# Altium PCB (Poly)TC364_MainBoard_PCB_V1.2.PcbDoc (continued)
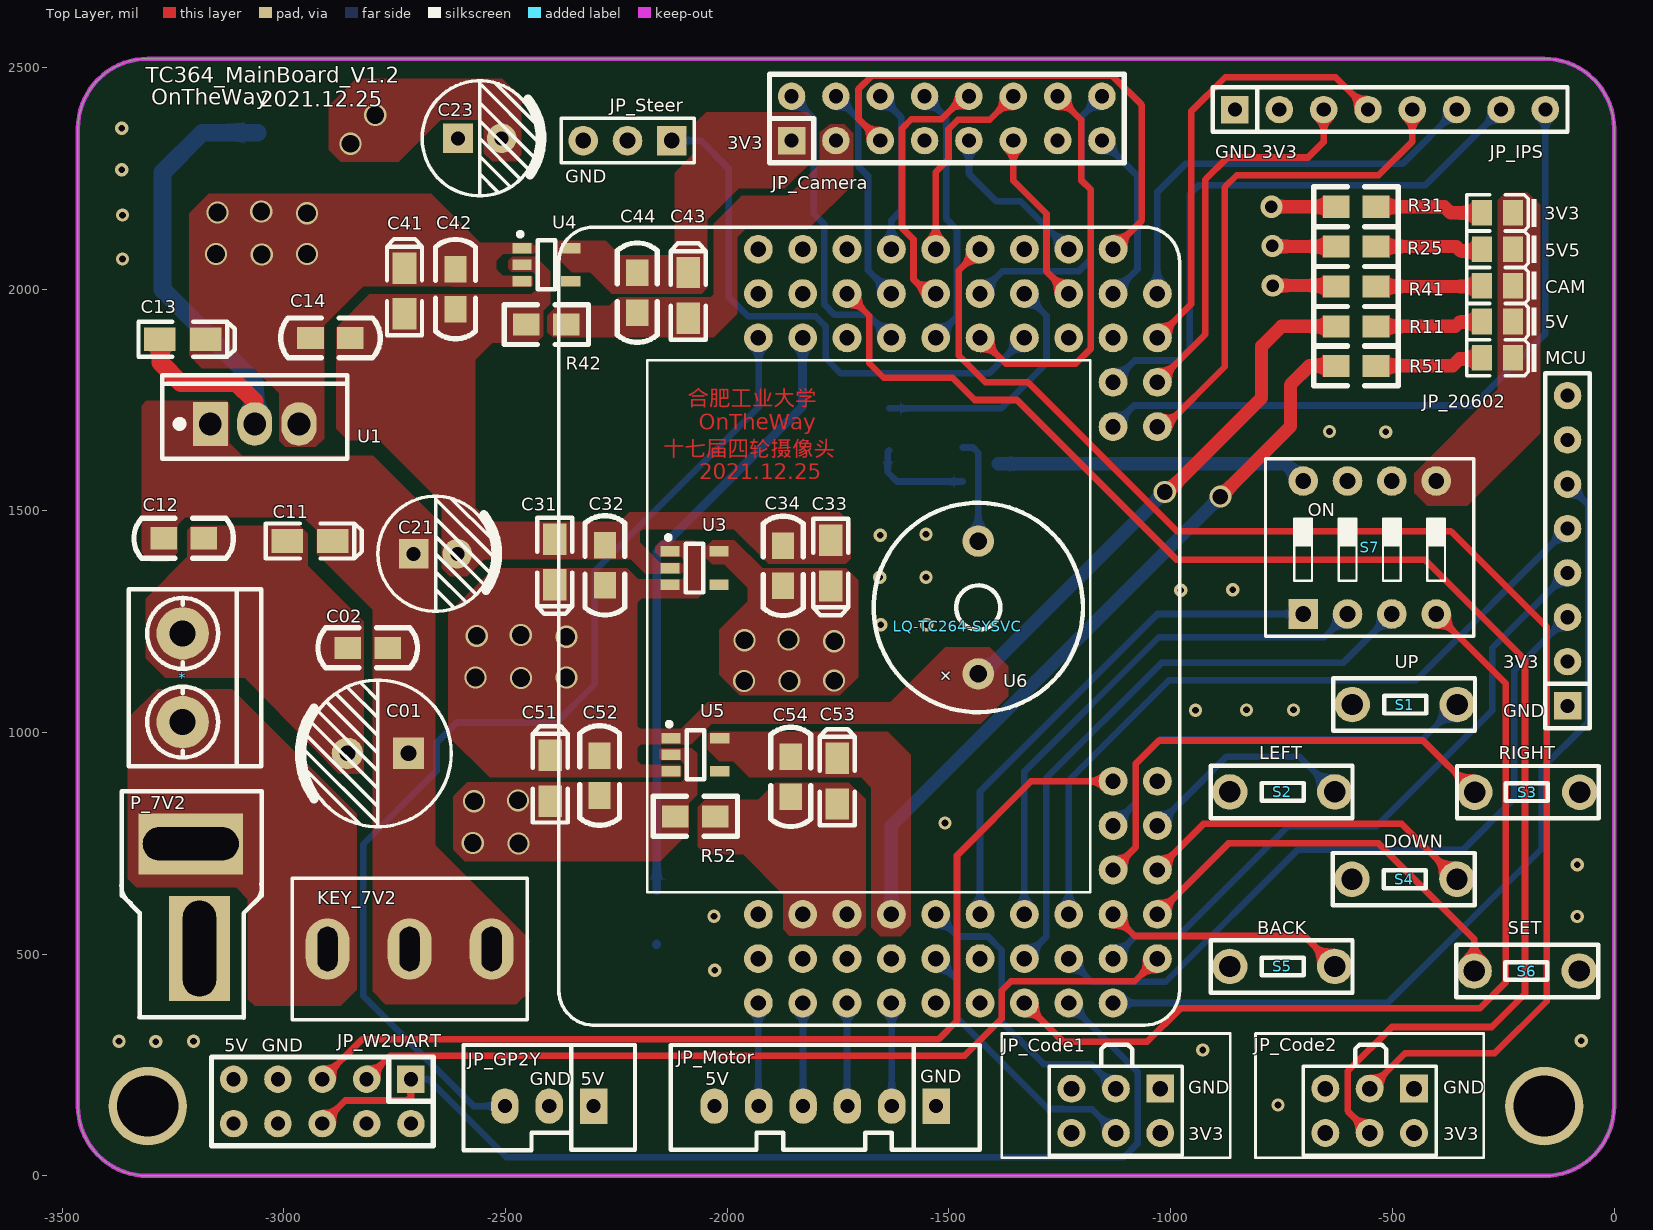
[diagram p0: Top Layer view]
## Nets (pads, with @x,y where several pads share a name; then routed paths per layer and width w, separated by ;. In a path a pad name is that pad's centre, name@x,y a point inside that pad or via, vN(x,y) a via of type N, cw(c..) or ccw(c..) an arc to the next point about the centre after c; other vN are vias at no path point)
AN44: JP_GP2Y.3 LQ-TC264-SYSVC.114 | length 2407.6
  Bottom Layer w15: JP_GP2Y.3 -2572.48,157.48 -2821,406 -2821,748 -2655,914 -2655,978 -2610.5,1022.5 -2385.5,1022.5 -2299,1109 -2299,1364 -1929,1734 LQ-TC264-SYSVC.114@-1929,1890
AN47: C03.1 LQ-TC264-SYSVC.111 R01.1 R02.2 | length 1383.7
  Bottom Layer w20: C03.1@-2160,522 C03.1 ; R02.2 -2159,1407 -1830,1736 LQ-TC264-SYSVC.111
GND: 3V3.K 5V5.K 5V.K *.2 C01.2 C02.2 C03.2 C11.2 C12.2 C13.2 C14.2 C21.2 C22.2 C31.2 C32.2 C33.2 C34.2 C41.2 C42.2 C51.2 C52.2 CAM.K JP_20602.1 JP_Code1.1 JP_Code2.1 JP_GP2Y.2 JP_IPS.1 JP_Motor.1 JP_W2UART.7 JP_W2UART.8 MCU.K P_7V2.1 Q1.3 R02.1 R26.2 R42.2 R52.2 S1.2 S2.2 S3.2 S4.2 S5.2 S6.2 S7.5 S7.6 S7.7 S7.8 U1.2 U2.7 U2.8 U3.2 U4.2 U5.2 | length 1962.6
  Top Layer w40: C13.2 -3278.43,1887 -3278.43,1834.43 -3232,1788 -3107,1788 -3066,1747 U1.2
  Bottom Layer w30: Q1.3 -739.86,1606 S7.8
  Bottom Layer w40: U1.2 -3066,1791 -3274,1999 -3274,2263 -3184,2353 R26.2
  other v1: -758,160 -928,284 -3289,303 -3372,304 -3204,304 -74,305 -2028,464 -83,585 -2030,586 -83,702 -1509,796 -944,1050 -829,1051 -723,1051 -1654,1243 -1550,1243 -977,1321 -860,1322 -1656,1350 -1552,1350 -1655,1445 -1552,1447 -515,1678 -642,1679 -3364,2068 -3364,2167 -3366,2269 -3366,2363
  other v2: -2471,750 -2574,751 -2571,845 -2472,847
GNDCAM: C43.2 C44.2 JP_Camera.3 JP_Camera.13 R42.1
GNDMCU: C53.2 C54.2 LQ-TC264-SYSVC.40 LQ-TC264-SYSVC.43 R52.1
GNDSteer: C23.2 C24.2 D21.1 JP_Steer.3 R23.2 R26.1
  other v2: -2850,2328 -2794,2393
NetD21_2: D21.2 L21.1 U2.5 U2.6
NetD_3V3_A: 3V3.A R31.2 | length 244.8
  Top Layer w30: R31.2 -383,2186 -369,2172 3V3.A
NetD_5V5_A: 5V5.A R25.2 | length 252.1
  Top Layer w30: R25.2 -356,2096 -346,2086 -309.91,2086 -304.08,2091.83 -304.08,2096 5V5.A
NetD_5V_A: 5V.A R11.2 | length 257.8
  Top Layer w30: R11.2 -358,1916 -348.3,1925.7 -299.34,1925.7 5V.A -298.04,1923.83 5V.A@-305.87,1916
NetD_CAM_A: CAM.A R41.2 | length 239.8
  Top Layer w30: R41.2 -300.04,2006 CAM.A
NetD_MCU_A: MCU.A R51.2 | length 246.4
  Top Layer w30: R51.2 -364,1827 -348.3,1842.7 -300.34,1842.7 MCU.A
NetKEY_7V2_1: *.1 KEY_7V2.1 P_7V2.2
NetQ1_1: Q1.1 R03.2 | length 227.9
  Bottom Layer w15: R03.2@-1635,1636 -1638,1633 -1638,1587 -1617,1566 Q1.1@-1469,1566
NetQ1_2: Q1.2 U6.2 | length 239.4
  Bottom Layer w15: Q1.2 -1446,1643 -1434,1631 U6.2
NetR21_1: R21.1 U2.2
NetR22_1: R22.1 U2.3
NetR23_1: R23.1 R24.2 U2.1
P00.0: JP_Camera.16 LQ-TC264-SYSVC.100 | length 677.1
  Bottom Layer w15: LQ-TC264-SYSVC.100 -1380,2040 -1208,2040 -1180,2068 -1180,2224 -1201,2245 -1201,2389 JP_Camera.16
P00.1: JP_Camera.14 LQ-TC264-SYSVC.99 | length 888.2
  Top Layer w15: LQ-TC264-SYSVC.99 -1372,1832 -1214,1832 -1180,1866 -1180,2224 -1202,2246 -1202,2382 JP_Camera.14
P00.2: JP_Camera.12 LQ-TC264-SYSVC.104 | length 459.5
  Top Layer w15: LQ-TC264-SYSVC.104 -1530,2264 -1501,2293 -1501,2360.72 -1479.72,2382 -1408,2382 JP_Camera.12
P00.3: JP_Camera.10 LQ-TC264-SYSVC.103 | length 595.2
  Top Layer w15: LQ-TC264-SYSVC.103 -1547.96,1990 -1580,2022.04 -1580,2112.19 -1606,2138.19 -1606,2362 -1585,2383 -1517,2383 -1465,2435 JP_Camera.10
P00.4: JP_Camera.8 LQ-TC264-SYSVC.102 | length 595.1
  Bottom Layer w15: JP_Camera.8 -1506,2386 -1506,2158 -1482,2134 -1482,1938 LQ-TC264-SYSVC.102
P00.5: JP_Camera.6 LQ-TC264-SYSVC.107 | length 373.6
  Bottom Layer w15: JP_Camera.6 -1608,2388 -1608,2177 -1630,2155 LQ-TC264-SYSVC.107
P00.6: JP_Camera.4 LQ-TC264-SYSVC.106 | length 496.8
  Bottom Layer w15: JP_Camera.4 -1705,2385 -1705,2278 -1682.52,2255.52 -1682.52,2042.52 LQ-TC264-SYSVC.106
P00.7: JP_Camera.2 LQ-TC264-SYSVC.105 | length 682.7
  Bottom Layer w15: JP_Camera.2 -1805,2385 -1805,2170 -1781,2146 -1781,1965 -1758,1942 -1682,1942 LQ-TC264-SYSVC.105
P00.9: JP_Code2.4 LQ-TC264-SYSVC.109 | length 3319.1
  Top Layer w15: LQ-TC264-SYSVC.109 -1680,1940 -1680,1833 -1647,1800 -1492,1800 -1442,1750 -1347,1750 -987,1390 -427,1390 -201,1164 -201,411 -276,336 -501,336 -601,236 -601,146.67 JP_Code2.4
P02.0: JP_Camera.5 LQ-TC264-SYSVC.92 | length 1167
  Top Layer w15: JP_Camera.5 -1704,2384 -1704,2451.05 -1674.05,2481 -1131,2481 -1065,2415 -1065,2155 LQ-TC264-SYSVC.92
P02.1: JP_Camera.15 LQ-TC264-SYSVC.91 | length 400.9
  Bottom Layer w15: JP_Camera.15 -1075,2255 -1075,2045 LQ-TC264-SYSVC.91
P02.2: JP_Camera.9 LQ-TC264-SYSVC.95 | length 370.4
  Bottom Layer w15: JP_Camera.9 -1455,2260 -1393,2198 -1338,2198 LQ-TC264-SYSVC.95
P02.3: JP_Camera.11 LQ-TC264-SYSVC.94 | length 396.8
  Top Layer w15: JP_Camera.11 -1355,2245 -1280,2170 -1280,2040 LQ-TC264-SYSVC.94
P02.6: LQ-TC264-SYSVC.97 R03.1 | length 575
  Bottom Layer w15: R03.1 -1382,1731 -1280,1833 -1280,1940 LQ-TC264-SYSVC.97
P02.7: JP_Steer.1 LQ-TC264-SYSVC.96 | length 1257.1
  Bottom Layer w15: JP_Steer.1 -2060,2335 -1997,2272 -1997,1983 -1953,1939 -1801,1939 -1778,1916 -1778,1844 -1744,1810 -1410,1810 LQ-TC264-SYSVC.96
P02.8: JP_Code2.3 LQ-TC264-SYSVC.101 | length 3164.2
  Top Layer w15: LQ-TC264-SYSVC.101 -1478,2042 -1478,1850 -1418,1790 -1322,1790 -986,1454 -368,1454 -152,1238 -152,394 -269,277 -471.03,277 JP_Code2.3
P10.1: JP_IPS.6 LQ-TC264-SYSVC.89 | length 981
  Bottom Layer w15: LQ-TC264-SYSVC.89 -1030,2219 -966.5,2282.5 -477.5,2282.5 JP_IPS.6
P10.2: JP_IPS.3 LQ-TC264-SYSVC.86 | length 876.9
  Top Layer w15: LQ-TC264-SYSVC.86 -922,1898 -922,2247 -872,2297 -690,2297 -655,2332 JP_IPS.3
P10.3: JP_IPS.4 LQ-TC264-SYSVC.88 | length 1003.6
  Top Layer w15: LQ-TC264-SYSVC.88 -954,1966 -954,2401 -877,2478 -628,2478 JP_IPS.4
P10.5: JP_IPS.7 LQ-TC264-SYSVC.87 | length 1334.2
  Bottom Layer w15: LQ-TC264-SYSVC.87 -1081,1839 -983,1839 -957,1865 -957,2214 -936.5,2234.5 -425.5,2234.5 JP_IPS.7
P11.10: JP_IPS.5 LQ-TC264-SYSVC.84 | length 1150.6
  Top Layer w15: LQ-TC264-SYSVC.84 -1013,1690 -878,1825 -878,2230 -851,2257 -531,2257 -455,2333 JP_IPS.5
P11.11: JP_IPS.8 LQ-TC264-SYSVC.85 | length 1567.4
  Bottom Layer w15: LQ-TC264-SYSVC.85 -1082.52,1737.48 -318.48,1737.48 -318,1737 -155,1900 JP_IPS.8
P15.0: LQ-TC264-SYSVC.65 S3.1 | length 1095
  Top Layer w15: LQ-TC264-SYSVC.65 -1079,741 -1079,929 -1026,982 -430.82,982 S3.1
P15.1: LQ-TC264-SYSVC.64 S4.1 | length 770.4
  Top Layer w15: LQ-TC264-SYSVC.64 -926,794 -479.04,794 S4.1
P15.2: LQ-TC264-SYSVC.67 S1.1 | length 940.9
  Bottom Layer w15: LQ-TC264-SYSVC.67 -1079,841 -1079,929 -1023,985 -431.69,985 S1.1
P15.3: LQ-TC264-SYSVC.66 S2.1 | length 496.9
  Bottom Layer w15: LQ-TC264-SYSVC.66 -875,945 -708.78,945 S2.1
P15.4: LQ-TC264-SYSVC.63 S6.1 | length 942.5
  Top Layer w15: LQ-TC264-SYSVC.63 -870,750 -531,750 -315.59,534.59 S6.1
P15.5: LQ-TC264-SYSVC.61 S5.1 | length 548.8
  Top Layer w15: LQ-TC264-SYSVC.61 -1081,541 -698.48,541 S5.1
P15.6: JP_W2UART.3 LQ-TC264-SYSVC.62 | length 1933.2
  Top Layer w15: JP_W2UART.3 -2760.5,271 -1465,271 -1381,355 -1381,418.48 -1360.48,439 -1081,439 LQ-TC264-SYSVC.62
P15.7: JP_W2UART.5 LQ-TC264-SYSVC.69 | length 2280.2
  Top Layer w15: JP_W2UART.5 -2823.5,308 -1524,308 -1482,350 -1482,723 -1315,890 LQ-TC264-SYSVC.69
P20.0: JP_Code1.4 LQ-TC264-SYSVC.48 | length 619
  Bottom Layer w15: LQ-TC264-SYSVC.48 -1482.52,442.52 -1482.52,357.52 -1276,151 -1243.53,151 -1242.88,150.35 -1177.13,150.35 JP_Code1.4
P20.3: JP_Code1.3 LQ-TC264-SYSVC.49 | length 664.1
  Bottom Layer w15: LQ-TC264-SYSVC.49 -1480,540 -1412,540 -1381,509 -1381,347 -1286.23,252.23 -1179,252.23 JP_Code1.3
P20.6: LQ-TC264-SYSVC.52 S7.1 | length 1171.6
  Bottom Layer w15: LQ-TC264-SYSVC.52 -1430,867 -1029.68,1267.32 S7.1
P20.7: LQ-TC264-SYSVC.53 S7.4 | length 2073
  Top Layer w15: LQ-TC264-SYSVC.53 -1243,303 -1053,303 -978,378 -303,378 -244,437 -244,1110.14 S7.4
P20.8: LQ-TC264-SYSVC.54 S7.3 | length 1360.5
  Bottom Layer w15: LQ-TC264-SYSVC.54 -1281,539 -1281,897 -1021,1157 -611.5,1157 S7.3
P20.9: LQ-TC264-SYSVC.55 S7.2 | length 1198
  Bottom Layer w15: LQ-TC264-SYSVC.55 -1330,912 -1027,1215 -653.5,1215 S7.2
P20.10: JP_W2UART.1 JP_W2UART.6 LQ-TC264-SYSVC.56 | length 2370.8
  Top Layer w15: JP_W2UART.6 -2861.5,170 -2722,170 -2713.39,178.61 JP_W2UART.1
  Bottom Layer w15: JP_W2UART.1 -2674.11,218.11 -2498,42 -1106,42 -1074,74 -1074,234 LQ-TC264-SYSVC.56
P20.11: JP_20602.3 LQ-TC264-SYSVC.57 | length 1656.3
  Bottom Layer w15: LQ-TC264-SYSVC.57 -1178,438 -1011.21,438 -713.21,736 -340,736 -225,851 -225,1140 JP_20602.3
P20.12: JP_20602.5 LQ-TC264-SYSVC.58 | length 1662.3
  Bottom Layer w15: LQ-TC264-SYSVC.58 -1230,892 -1004.01,1117.99 -447.01,1117.99 JP_20602.5
P20.13: JP_20602.6 LQ-TC264-SYSVC.59 | length 1996.2
  Bottom Layer w15: LQ-TC264-SYSVC.59 -511,390 -163,738 -163,919 -68,1014 -67.79,1014 -58,1023.79 -58,1513 JP_20602.6
P20.14: JP_20602.4 LQ-TC264-SYSVC.60 | length 1468
  Bottom Layer w15: LQ-TC264-SYSVC.60 -1079,541 -983,541 -735.5,788.5 -535.5,788.5 -275,1049 -275,1190 JP_20602.4
P21.2: JP_Motor.5 LQ-TC264-SYSVC.35 | length 232.9
  Bottom Layer w15: LQ-TC264-SYSVC.35 -1930,158.35 JP_Motor.5
P21.3: JP_Motor.4 LQ-TC264-SYSVC.38 | length 232.9
  Bottom Layer w15: LQ-TC264-SYSVC.38 -1829.13,389.13 JP_Motor.4
P21.4: JP_Motor.3 LQ-TC264-SYSVC.41 | length 232.9
  Bottom Layer w15: LQ-TC264-SYSVC.41 -1730,158.35 JP_Motor.3
P21.5: JP_Motor.2 LQ-TC264-SYSVC.44 | length 232.9
  Bottom Layer w15: LQ-TC264-SYSVC.44 -1629.13,389.13 JP_Motor.2
VCC3V3: C33.1 C34.1 JP_20602.2 JP_Code1.2 JP_Code2.2 JP_IPS.2 R31.1 U3.5 | length 146
  Top Layer w30: v3(-773,2186) R31.1
  other v2: -1962,1116 -1860,1116 -1759,1117 -1759,1206 -1961,1208 -1862,1210
VCC5V: C13.1 C14.1 C31.1 C32.1 C41.1 C42.1 C51.1 C52.1 JP_GP2Y.1 JP_Motor.6 JP_W2UART.9 R11.1 U1.3 U3.1 U3.3 U4.1 U4.3 U5.1 U5.3 U6.1 | length 1199.5
  Top Layer w30: v4(-1013.5,1542.5) -1008.09,1542.5 -998.09,1552.5 -997.5,1552.5 -795,1755 -795,1871 -750,1916 R11.1
  Bottom Layer w30: U6.1 -1423.61,1132.39 v4(-1013.5,1542.5)
  other v2: -2465,1123 -2568,1124 -2363,1124 -2363,1216 -2565,1218 -2466,1220 -3050,2078 -3153,2079 -2948,2079 -2948,2171 -3150,2173 -3051,2175
VCCBAT: C01.1 C02.1 C11.1 C12.1 C21.1 C22.1 KEY_7V2.2 KEY_7V2.3 R01.2 R21.2 R22.2 U1.1 U2.4
VCCCAM: C43.1 C44.1 JP_Camera.1 R41.1 U4.5 | length 143.8
  Top Layer w30: v3(-770,2008) -629,2008 R41.1
VCCMCU: C53.1 C54.1 LQ-TC264-SYSVC.46 R51.1 U5.5 | length 1687.6
  Top Layer w30: v4(-888,1532) -730,1690 -730,1784 -687,1827 R51.1
  Bottom Layer w30: LQ-TC264-SYSVC.46 -1630,790 v4(-888,1532)
VCCSteer: C23.1 C24.1 JP_Steer.2 L21.2 R24.1 R25.1 | length 144.1
  Top Layer w30: v3(-770.5,2097.5) -769,2096 R25.1
pads on no net: JP_20602.7 JP_20602.8 JP_Camera.7 JP_Code1.5 JP_Code1.6 JP_Code2.5 JP_Code2.6 JP_W2UART.2 JP_W2UART.4 JP_W2UART.10 LQ-TC264-SYSVC.36 LQ-TC264-SYSVC.37 LQ-TC264-SYSVC.39 LQ-TC264-SYSVC.42 LQ-TC264-SYSVC.45 LQ-TC264-SYSVC.47 LQ-TC264-SYSVC.50 LQ-TC264-SYSVC.51 LQ-TC264-SYSVC.68 LQ-TC264-SYSVC.90 LQ-TC264-SYSVC.93 LQ-TC264-SYSVC.98 LQ-TC264-SYSVC.108 LQ-TC264-SYSVC.110 LQ-TC264-SYSVC.112 LQ-TC264-SYSVC.113 LQ-TC264-SYSVC.115 LQ-TC264-SYSVC.116 U3.4 U4.4 U5.4

## Polygon pours and split planes (outlines as drawn)
GND on Top Layer "GND_L01_P114" (solid, remove dead copper, pour order 114): -245,2217 -262,2200 -262,1774 -451,1585 -451,1541 -421,1511 -331,1511 -167,1675 -167,2190 -196,2219
GNDSteer on Top Layer "GNDSTEER_L01_P110" (solid, remove dead copper, pour order 110): -2465,2302.82 -2465,2433 -2507,2475 -2837,2475 -2899,2413 -2899,2314 -2872,2287 -2741,2287 -2646,2382 -2563,2382 -2549,2368 -2549,2307 -2530,2288 -2475.52,2288
GNDMCU on Top Layer "GNDMCU_L01_P084" (solid, remove dead copper, pour order 84): -2067,831 -2050,848 -1929,848 -1929,850 -1892,887 -1726,887 -1688,849 -1688,561 -1707,542 -1860,542 -1874,556 -1874,638 -1877,638 -1964,725 -2050,725 -2067,742
VCCMCU on Top Layer "VCCMCU_L01_P082" (solid, remove dead copper, pour order 82): -1586,950 -1586,564 -1609,541 -1655,541 -1675,561 -1675,876 -1698,899 -1951,899 -1987,935 -2018,935 -2044,961 -2044,997 -2039,1002 -1638,1002
VCC5V on Top Layer "VCC5V_L01_P080" (solid, remove dead copper, pour order 80): -2100,974 -2081,974 -2054,1001 -2035,1020 -1428,1020 -1366,1082 -1366,1150 -1408,1192 -1508,1192 -1632,1068 -2044,1068 -2127,985 -2127,977
VCC5V on Top Layer "VCC5V_L01_P078" (solid, remove dead copper, pour order 78): -2217,909 -2207,899 -2106,899 -2104,901 -2104,924 -2107,927 -2194,927 -2209,942 -2209,960 -2195,974 -2100,974 -2094,980 -2094,1000 -2103,1009 -2197,1009 -2208,1020 -2223,1020
GND on Top Layer "GND_L01_P076" (solid, remove dead copper, pour order 76): -2133,859 -2097,895 -2097,929 -2105,937 -2149,937 -2153,941 -2153,962 -2150,965 -2080,965 -2068,953 -2068,860 -2087,841 -2087,774 -2114,747 -2133,747
GND on Top Layer "GND_L01_P074" (solid, remove dead copper, pour order 74): -2539,888 -2202,888 -2104,888 -2094,878 -2094,767 -2151,710 -2592,710 -2618,736 -2618,856 -2586,888
VCC3V3 on Top Layer "VCC3V3_L01_P072" (solid, remove dead copper, pour order 72): -1954,1325 -1954,1296 -2018,1232 -2018,1130 -1972,1084 -1746,1084 -1705,1125 -1705,1343 -1732,1370 -1944,1370 -1955,1359
VCC3V3 on Top Layer "VCC3V3_L01_P058" (solid, remove dead copper, pour order 58): -2047,1420 -2047,1393 -2034,1380 -2007,1380 -1914,1287 -1733,1287 -1725,1295 -1725,1363 -1732,1370 -1920,1370 -1984,1434 -2033,1434
GND on Top Layer "GND_L01_P056" (solid, remove dead copper, pour order 56): -2197,1453 -2191,1459 -1985,1459 -1907,1381 -1733,1381 -1722,1392 -1722,1473 -1746,1497 -2221,1497 -2255,1463 -2255,1409 -2198,1409 -2197,1408
VCC5V on Top Layer "VCC5V_L01_P054" (solid, remove dead copper, pour order 54): -2203,1348 -2201,1346 -2102,1346 -2093,1355 -2093,1389 -2097,1389 -2104,1396 -2152,1396 -2162,1406 -2162,1420 -2150,1432 -2074,1432 -2060,1418 -2060,1308 -2065,1303 -2193,1303 -2208,1288 -2214.5,1294.5 -2214.5,1359.5
GND on Top Layer "GND_L01_P048" (solid, remove dead copper, pour order 48): -2568,1371 -2548,1391 -2218,1391 -2185,1358 -2105,1358 -2101,1362 -2101,1379 -2105,1383 -2151,1383 -2243,1475 -2536,1475 -2579,1518 -2644,1518 -2644,1371
VCC5V on Top Layer "VCC5V_L01_P046" (solid, remove dead copper, pour order 46): -2454,1371 -2226,1371 -2203,1348 -2203,903 -2207,899 -2536,899 -2629,992 -2629,1269 -2525.96,1372.04
VCCCAM on Top Layer "VCCCAM_L01_P042" (solid, remove dead copper, pour order 42): -2159,2044 -2119,2084 -2119,2263 -2070,2312 -2070,2377 -2048,2399 -1817,2399 -1804,2386 -1804,2293 -1870,2227 -1974,2227 -2045,2156 -2045,2044
no net on Top Layer "NONET_L01_P040" (solid, remove dead copper, pour order 40): -2143,2076
VCCCAM on Top Layer "VCCCAM_L01_P038" (solid, remove dead copper, pour order 38): -2351,2038 -2309,2038 -2261,1990 -2058,1990 -2045,2003 -2045,2076 -2241,2076 -2274,2109 -2380,2109 -2388,2101 -2388,2075
GNDCAM on Top Layer "GNDCAM_L01_P034" (solid, remove dead copper, pour order 34): -1768,2372 -1736,2372 -1716,2352 -1716,2237 -1818,2135 -1959,2135 -1977,2117 -1977,1945 -2031,1891 -2394,1891 -2406,1903 -2406,1940 -2384,1962 -2266,1962 -2246,1982 -2037,1982 -2031,1988 -2031,2147 -1967,2211 -1863,2211 -1791,2283 -1791,2354
VCCBAT on Top Layer "VCCBAT_L01_P006" (solid, remove dead copper, pour order 6): -2800,416.33 -2771.02,387 -2476,387 -2446,417 -2446,533 -2531,618 -2659,746 -2659,1442 -2688,1471 -2690,1469 -2764,1469 -2800,1433 -2800,1031
VCC5V on Top Layer "VCC5V_L01_P030" (solid, remove dead copper, pour order 30): -2553.5,2077.5 -2506,2030 -2442,2030 -2439,2027 -2439,2008 -2442,2005 -2626,2005
VCC5V on Top Layer "VCC5V_L01_P028" (solid, remove dead copper, pour order 28): -2569,2105 -2441,2105 -2431,2095 -2431,2086 -2437,2080 -2505,2080 -2569,2016
GND on Top Layer "GND_L01_P022" (solid, remove dead copper, pour order 22): -2399,2040 -2399,1967 -2415,1951 -2423,1951 -2423,1962 -2442,1981 -2442,1988 -2432,1998 -2432,2032 -2439,2039 -2486,2039 -2494,2047 -2494,2064 -2485,2073 -2432,2073
VCCBAT on Top Layer "VCCBAT_L01_P012" (solid, remove dead copper, pour order 12): -2899.68,1456 -2926,1456 -2956,1486 -3222,1486 -3239,1469 -3239,1407 -3261,1385 -3299,1385 -3321,1407 -3321,1737 -3310,1748 -3129,1748 -3123,1742 -3123,1653 -3094,1624 -2799.35,1624
GND on Top Layer "GND_L01_P020" (solid, remove dead copper, pour order 20): -2882,1685 -2856,1659 -2785,1659 -2644,1518 -2644,1371 -2626,1353 -2586,1353 -2568,1371 -2568,1841 -2530,1879 -2431,1879 -2415,1895 -2415,1971 -2432,1988 -2807,1988 -2882,1913
VCC5V on Top Layer "VCC5V_L01_P018" (solid, remove dead copper, pour order 18): -3011,1765 -3068,1822 -3185,1822 -3214,1851 -3214,2171 -3170,2215 -2668,2215 -2521,2068 -2521,2044 -2559,2006 -2821,2006 -2909,1918 -2909,1663 -2928,1644 -2997,1644 -3011,1658
GND on Top Layer "GND_L01_P016" (solid, remove dead copper, pour order 16): -2876.29,907 -2826,907 -2820,913 -2820,1250 -2946,1376 -2946,1448 -2964,1466 -3208,1466 -3218,1456 -3218,1396 -3312,1302 -3312,1168 -3268,1124 -3088,1124
no net on Top Layer "NONET_L01_P014" (solid, remove dead copper, pour order 14): -2897,1503
VCCBAT on Top Layer "VCCBAT_L01_P010" (solid, remove dead copper, pour order 10): -2794.11,1271.11 -2908,1385 -2926,1403 -2926,1561 -2863,1624 -2799,1624 -2659,1484 -2659,1361.51
no net on Top Layer "NONET_L01_P004" (solid, remove dead copper, pour order 4): -2797,555
NetKEY_7V2_1 on Top Layer "NETKEY_7V2_1_L01_P002" (solid, remove dead copper, pour order 2): -3286,1098 -3352,1032 -3352,670 -3333,651 -3108,651 -3081,624 -3081,399 -3066,384 -2872,384 -2836,420 -2836,817 -3117,1098
GNDSteer on Bottom Layer "GNDSTEER_L04_P112" (solid, remove dead copper, pour order 112): -3009,2325 -3009,2387 -2963,2433 -2766,2433 -2756,2423 -2756,2042 -2740,2026 -2674,2026 -2666,2018 -2666,1972 -2677,1961 -2797,1961 -2896,2060 -2896,2212
VCCSteer on Bottom Layer "VCCSTEER_L04_P108" (solid, remove dead copper, pour order 108): -2272,2341 -2272,2282 -2307,2247 -2307,2031 -2209,2031 -2180,2060 -2180,2337
GNDSteer on Bottom Layer "GNDSTEER_L04_P106" (solid, remove dead copper, pour order 106): -2443,2223 -2363,2143 -2363,2030 -2270,1937 -2075,1937 -2057,1955 -2058,1956 -2058,2030 -2080,2052 -2172,2052 -2201,2023 -2309,2023 -2315,2029 -2315,2262.77
no net on Bottom Layer "NONET_L04_P104" (solid, remove dead copper, pour order 104): -2425,2227
NetR21_1 on Bottom Layer "NETR21_1_L04_P102" (solid, remove dead copper, pour order 102): -2644,1693 -2575,1693 -2566,1702 -2566,1730 -2551,1745 -2450,1745 -2445,1750 -2445,1774 -2451,1780 -2630,1780 -2644,1766
NetR22_1 on Bottom Layer "NETR22_1_L04_P100" (solid, remove dead copper, pour order 100): -2644,1867 -2583,1867 -2547,1831 -2454,1831 -2445,1822 -2445,1805 -2454,1796 -2638,1796 -2644,1802
VCCBAT on Bottom Layer "VCCBAT_L04_P098" (solid, remove dead copper, pour order 98): -2649,1878 -2671.01,1855.99 -2685,1855.99 -2685,1937 -2503,1937 -2444,1878 -2444,1850 -2449,1845 -2546,1845 -2579,1878
no net on Bottom Layer "NONET_L04_P096" (solid, remove dead copper, pour order 96): -2660,1906
NetR23_1 on Bottom Layer "NETR23_1_L04_P094" (solid, remove dead copper, pour order 94): -2633,2122 -2650,2105 -2650,1969 -2631,1950 -2491,1950 -2431,1890 -2431,1750 -2432,1750 -2449,1733 -2521,1733 -2529,1725 -2529,1699 -2523,1693 -2422,1693 -2392,1723 -2392,1926 -2463,1997 -2539,1997 -2576,2034 -2576,2111 -2577,2111 -2588,2122
GNDSteer on Bottom Layer "GNDSTEER_L04_P092" (solid, remove dead copper, pour order 92): -2580.09,2165.91 -2571,2175 -2532,2214 -2357,2214 -2283,2288 -2283,2350 -2308,2375 -2530,2375 -2549,2356 -2549,2258 -2578,2229 -2649,2229 -2655,2223 -2655,2170 -2650.91,2165.91
NetD21_2 on Bottom Layer "NETD21_2_L04_P088" (solid, remove dead copper, pour order 88): -2560,2170 -2560,2047 -2531,2018 -2457,2018 -2328,1889 -2328,1803 -2321,1796 -2225,1796 -2202,1819 -2063,1819 -2050,1832 -2050,1899 -2074,1923 -2271,1923 -2372,2024 -2372,2116 -2447,2191 -2539,2191
GND on Bottom Layer "GND_L04_P086" (solid, remove dead copper, pour order 86): -2646,1676 -2646,1377 -2606,1337 -2505,1337 -2221,1621 -2221,1767 -2242,1788 -2325,1788 -2369,1744 -2369,1683 -2551,1683 -2639,1683
AN47 on Bottom Layer "AN47_L04_P070" (solid, remove dead copper, pour order 70): -2129,675 -2149,695 -2169,695 -2189,675 -2189,384 -2129,384
GND on Bottom Layer "GND_L04_P068" (solid, remove dead copper, pour order 68): -2298,502 -2285,489 -2221,489 -2207,503 -2207,667 -2249,709 -2601,709 -2662,648 -2662,313 -2557,208 -2466,208 -2442,184 -2442,123 -2441,123 -2429,111 -2376,111 -2357,130 -2357,206 -2483,332 -2550,332 -2609,391 -2609,598 -2590,617 -2589,616 -2344,616 -2297,569
VCCBAT on Bottom Layer "VCCBAT_L04_P064" (solid, remove dead copper, pour order 64): -2212,377 -2212,453 -2230,471 -2421,471 -2469,519 -2469,565 -2489,585 -2573,585 -2590,568 -2590,410 -2535,355 -2234,355
VCCSteer on Bottom Layer "VCCSTEER_L04_P062" (solid, remove dead copper, pour order 62): -2607,2465 -2259,2465 -2180,2386 -2180,2305 -2202,2283 -2246,2283 -2272,2309 -2272,2368 -2290,2386 -2546,2386 -2567,2365 -2567,2352 -2585,2352 -2607,2374
VCCSteer on Bottom Layer "VCCSTEER_L04_P060" (solid, remove dead copper, pour order 60): -2608,2465 -2738,2335 -2738,2056 -2726,2044 -2677,2044 -2666,2055 -2666,2233 -2651,2248 -2580,2248 -2561,2267 -2561,2430 -2596,2465
VCCBAT on Bottom Layer "VCCBAT_L04_P008" (solid, remove dead copper, pour order 8): -2684,1340 -2682,1340 -2658,1364 -2660,1366 -2660,1912 -2685,1937 -2742,1937 -2799,1880 -2799,1378 -2760,1339
GND on GND02 (split plane): -147.67,2499.32 -137.92,2498.27 -128.26,2496.53 -118.75,2494.1 -109.44,2491.01 -100.37,2487.25 -91.6,2482.86 -83.16,2477.85 -75.1,2472.25 -67.46,2466.1 -60.28,2459.41 -53.59,2452.23 -47.43,2444.59 -41.83,2436.53 -36.83,2428.09 -32.44,2419.31 -28.68,2410.24 -25.58,2400.93 -23.15,2391.43 -21.41,2381.77 -20.36,2372.01 -20.03,2362.84 -20.1,2362.2 -20.1,159.68 -20.1,157.48 -20.03,156.85 -20.36,147.67 -21.41,137.92 -23.15,128.26 -25.58,118.75 -28.68,109.44 -32.44,100.37 -36.83,91.6 -41.83,83.16 -47.43,75.1 -53.59,67.46 -60.28,60.28 -67.46,53.59 -75.1,47.43 -83.16,41.83 -91.6,36.83 -100.37,32.44 -109.44,28.68 -118.75,25.58 -128.26,23.15 -137.92,21.41 -147.67,20.36 -156.85,20.03 -157.48,20.1 -3307.09,20.1 -3307.72,20.03 -3316.89,20.36 -3326.65,21.41 -3336.31,23.15 -3345.82,25.58 -3355.13,28.68 -3364.19,32.44 -3372.97,36.83 -3381.41,41.83 -3389.47,47.43 -3397.11,53.59 -3404.29,60.28 -3410.98,67.46 -3417.14,75.1 -3422.73,83.16 -3427.74,91.6 -3432.13,100.37 -3435.89,109.44 -3438.99,118.75 -3441.41,128.26 -3443.16,137.92 -3444.2,147.67 -3444.53,156.85 -3444.47,157.48 -3444.47,2362.2 -3444.53,2362.83 -3444.2,2372.01 -3443.16,2381.77 -3441.41,2391.43 -3438.99,2400.93 -3435.89,2410.24 -3432.13,2419.31 -3427.74,2428.09 -3422.73,2436.53 -3417.14,2444.59 -3410.98,2452.23 -3404.29,2459.41 -3397.11,2466.1 -3389.47,2472.25 -3381.41,2477.85 -3372.97,2482.86 -3364.19,2487.25 -3355.13,2491.01 -3345.82,2494.1 -3336.31,2496.53 -3326.65,2498.27 -3316.89,2499.32 -3307.72,2499.65 -3307.09,2499.59 -2282.1,2499.59 -2282.1,1698 -2281.71,1696.05 -2280.6,1694.4 -2165.6,1579.4 -2163.95,1578.29 -2162,1577.9 -1090,1577.9 -1088.05,1578.29 -1086.4,1579.4 -965.4,1700.4 -964.29,1702.05 -963.9,1704 -964.05,1704.72 -963.4,1705.15 -962.29,1706.81 -961.9,1708.76 -961.9,2499.59 -157.48,2499.59 -156.85,2499.65
GNDCAM on GND02 (split plane): -972.1,1708.76 -971.95,1708.04 -972.6,1707.6 -1092.11,1588.1 -2159.89,1588.1 -2271.9,1700.11 -2271.9,2499.59 -972.1,2499.59
VCC5V on POW03 (split plane): -3307.09,2499.59 -2666.1,2499.59 -2666.1,1564 -2665.71,1562.05 -2664.6,1560.4 -2455.6,1351.4 -2453.95,1350.29 -2452,1349.9 -2355.11,1349.9 -1390.1,384.89 -1390.1,20.1 -3307.09,20.1 -3307.72,20.03 -3316.89,20.36 -3326.65,21.41 -3336.31,23.15 -3345.82,25.58 -3355.13,28.68 -3364.19,32.44 -3372.97,36.83 -3381.41,41.83 -3389.47,47.43 -3397.11,53.59 -3404.29,60.28 -3410.98,67.46 -3417.14,75.1 -3422.73,83.16 -3427.74,91.6 -3432.13,100.37 -3435.89,109.44 -3438.99,118.75 -3441.41,128.26 -3443.16,137.92 -3444.2,147.67 -3444.53,156.85 -3444.47,157.48 -3444.47,2362.2 -3444.53,2362.83 -3444.2,2372.01 -3443.16,2381.77 -3441.41,2391.43 -3438.99,2400.93 -3435.89,2410.24 -3432.13,2419.31 -3427.74,2428.09 -3422.73,2436.53 -3417.14,2444.59 -3410.98,2452.23 -3404.29,2459.41 -3397.11,2466.1 -3389.47,2472.25 -3381.41,2477.85 -3372.97,2482.86 -3364.19,2487.25 -3355.13,2491.01 -3345.82,2494.1 -3336.31,2496.53 -3326.65,2498.27 -3316.89,2499.32 -3307.72,2499.65
VCCSteer on POW03 (split plane): -2180.1,2276 -2179.71,2274.05 -2178.6,2272.4 -2077.6,2171.4 -2075.95,2170.29 -2074,2169.9 -850.11,2169.9 -818.6,2138.4 -816.95,2137.29 -815,2136.9 -721.11,2136.9 -701.1,2116.89 -701.1,2074.11 -715.11,2060.1 -2655.9,2060.1 -2655.9,2499.59 -2180.1,2499.59
VCC3V3 on POW03 (split plane): -147.67,2499.32 -137.92,2498.27 -128.26,2496.53 -118.75,2494.1 -109.44,2491.01 -100.37,2487.25 -91.6,2482.86 -83.16,2477.85 -75.1,2472.25 -67.46,2466.1 -60.28,2459.41 -53.59,2452.23 -47.43,2444.59 -41.83,2436.53 -36.83,2428.09 -32.44,2419.31 -28.68,2410.24 -25.58,2400.93 -23.15,2391.43 -21.41,2381.77 -20.36,2372.01 -20.03,2362.84 -20.1,2362.2 -20.1,159.68 -20.1,157.48 -20.03,156.85 -20.36,147.67 -21.41,137.92 -23.15,128.26 -25.58,118.75 -28.68,109.44 -32.44,100.37 -36.83,91.6 -41.83,83.16 -47.43,75.1 -53.59,67.46 -60.28,60.28 -67.46,53.59 -75.1,47.43 -83.16,41.83 -91.6,36.83 -100.37,32.44 -109.44,28.68 -118.75,25.58 -128.26,23.15 -137.92,21.41 -147.67,20.36 -156.85,20.03 -157.48,20.1 -1379.9,20.1 -1379.9,387 -1380.29,388.95 -1381.4,390.6 -2349.4,1358.6 -2351.05,1359.71 -2353,1360.1 -2449.89,1360.1 -2655.9,1566.11 -2655.9,2049.9 -825.1,2049.9 -825.1,1995 -824.71,1993.05 -823.6,1991.4 -791.6,1959.4 -789.95,1958.29 -788,1957.9 -616,1957.9 -614.05,1958.29 -612.4,1959.4 -519.9,2051.9 -518.79,2053.55 -518.4,2055.5 -518.79,2057.45 -518.9,2057.62 -518.9,2291 -519.29,2292.95 -520.4,2294.6 -567.4,2341.6 -569.05,2342.71 -571,2343.1 -1777.89,2343.1 -1823.4,2388.6 -1825.05,2389.71 -1827,2390.1 -1869,2390.1 -1870.95,2389.71 -1872.6,2388.6 -1907.6,2353.6 -1908.71,2351.95 -1909.1,2350 -1909.1,2322 -1908.71,2320.05 -1907.6,2318.4 -1859.6,2270.4 -1857.95,2269.29 -1856,2268.9 -646.11,2268.9 -624.1,2246.89 -624.1,2200.11 -697,2127.21 -715.4,2145.6 -717.05,2146.71 -719,2147.1 -812.89,2147.1 -844.4,2178.6 -846.05,2179.71 -848,2180.1 -2071.89,2180.1 -2169.9,2278.11 -2169.9,2499.59 -157.48,2499.59 -156.85,2499.65
VCCCAM on POW03 (split plane): -1783.6,2334.4 -1781.95,2333.29 -1780,2332.9 -573.11,2332.9 -529.1,2288.89 -529.1,2057.11 -618.11,1968.1 -785.89,1968.1 -814.9,1997.11 -814.9,2049.9 -713,2049.9 -711.05,2050.29 -709.4,2051.4 -692.4,2068.4 -691.29,2070.05 -690.9,2072 -690.9,2118.89 -615.4,2194.4 -614.29,2196.05 -613.9,2198 -613.9,2249 -614.29,2250.95 -615.4,2252.6 -640.4,2277.6 -642.05,2278.71 -644,2279.1 -1853.89,2279.1 -1898.9,2324.11 -1898.9,2347.89 -1866.89,2379.9 -1829.11,2379.9

## Keep-outs
Keep-Out Layer:
  lines w10: 0,157.48 cw(c-157.48,157.48) -157.48,0 -3307.09,0 cw(c-3307.09,157.48) -3464.57,157.48 -3464.57,2362.2 cw(c-3307.09,2362.2) -3307.09,2519.68 -157.48,2519.68 cw(c-157.48,2362.2) 0,2362.2 0,159.68

## Other copper
Top Layer:
  text "合肥工业大学" at -2088.8,1724.37 h60
  text "OnTheWay" at -2064.8,1670.37 h60
  text "十七届四轮摄像头" at -2144.8,1610.37 h60
  text "2021.12.25" at -2063.8,1558.37 h60
GND02 (plane layer: these items are gaps in the copper):
  lines w10: -2277,2519 -2277,1698 -2162,1583 -1090,1583 -969,1704 ; -967,1708.76 -967,2526
POW03 (plane layer: these items are gaps in the copper):
  lines w10: -2661,2526 -2661,1564 -2452,1355 -2353,1355 -1385,387 -1385,3 ; -2660,2055 -713,2055 -696,2072 -696,2119 ; -2175,2522 -2175,2276 -2074,2175 -848,2175 -815,2142 -719,2142 -697,2120 -619,2198 -619,2249 -644,2274 -1856,2274 -1904,2322 -1904,2350 -1869,2385 -1827,2385 -1780,2338 -571,2338 -524,2291 -524,2056 -523.5,2055.5 -616,1963 -788,1963 -820,1995 -820,2054

## Silkscreen, mask and mechanical layers (free items; w line width, h text height)
Top Overlay:
  lines w6: -1381.06,41.11 -1381.06,321.11 -866.06,321.11 -866.06,41.11 -1381.06,41.11 ; -808.61,41.11 -293.61,41.11 -293.61,321.11 -808.61,321.11 -808.61,41.11
  lines w10: -1156.69,251.11 -1156.69,286.11 -1146.69,296.11 -1096.69,296.11 -1086.69,286.11 -1086.69,251.11 ; -584.24,251.11 -584.24,286.11 -574.24,296.11 -524.24,296.11 -514.24,286.11 -514.24,251.11
  text "TC364_MainBoard_V1.2" at -3312,2453 h60
  text "OnTheWay" at -3299,2403 h60
  text "2021.12.25" at -3053,2399 h60
  text "3V3" at -2000,2315 h30
  text "GND" at -900,2295 h30
  text "3V3" at -795,2295 h30
  text "GND" at -2365,2240 h30
  text "UP" at -495,1145 h30
  text "3V3" at -250,1145 h30
  text "GND" at -250,1035 h30
  text "LEFT" at -800,940 h30
  text "RIGHT" at -260,940 h30
  text "DOWN" at -520,740 h30
  text "BACK" at -805,545 h30
  text "SET" at -240,545 h30
  text "5V" at -3135,280 h30
  text "GND" at -3050,280 h30
  text "GND" at -1565,210 h30
  text "GND" at -2445,205 h30
  text "5V" at -2330,205 h30
  text "5V" at -2050,205 h30
  text "GND" at -960,185 h30
  text "GND" at -385,185 h30
  text "3V3" at -960,80 h30
  text "3V3" at -385,80 h30
Mechanical 1:
  lines w10: -3464.57,157.48 ccw(c-3307.09,157.48) -3307.09,0 -157.48,0 ccw(c-157.48,157.48) 0,157.48 0,2362.2 ccw(c-157.48,2362.2) -157.48,2519.68 -3307.09,2519.68 ccw(c-3307.09,2362.2) -3464.57,2362.2 -3464.57,157.48

## Dimensions
-3307.09,157.48 to -157.48,157.48 on Mechanical 1
-3307.09,0 to -3307.09,2519.68 on Mechanical 1
-3464.57,157.48 to 0,157.48 on Mechanical 1

## Text inside footprints (layer, text, board x,y; h text height)
S7: Top Overlay "ON" at -691.18,1487.32 h30
U6: Top Overlay "+" at -1485.82,1124.68 h30 r135